# Altium PCB PCB5_制版20140402.PcbDoc (part 2 of 5)
Units mil, origin at the board's own origin, x right, y up, seen from the top; angles counter-clockwise.
Board outline 4763.78 x 6574.87 mil, 6 copper layers (Top Layer, GND, ADDR, DATA, VCC, Bottom Layer), stack 80.842 mil thick; 385 components, 444 nets, 1700 pads, 1572 vias.
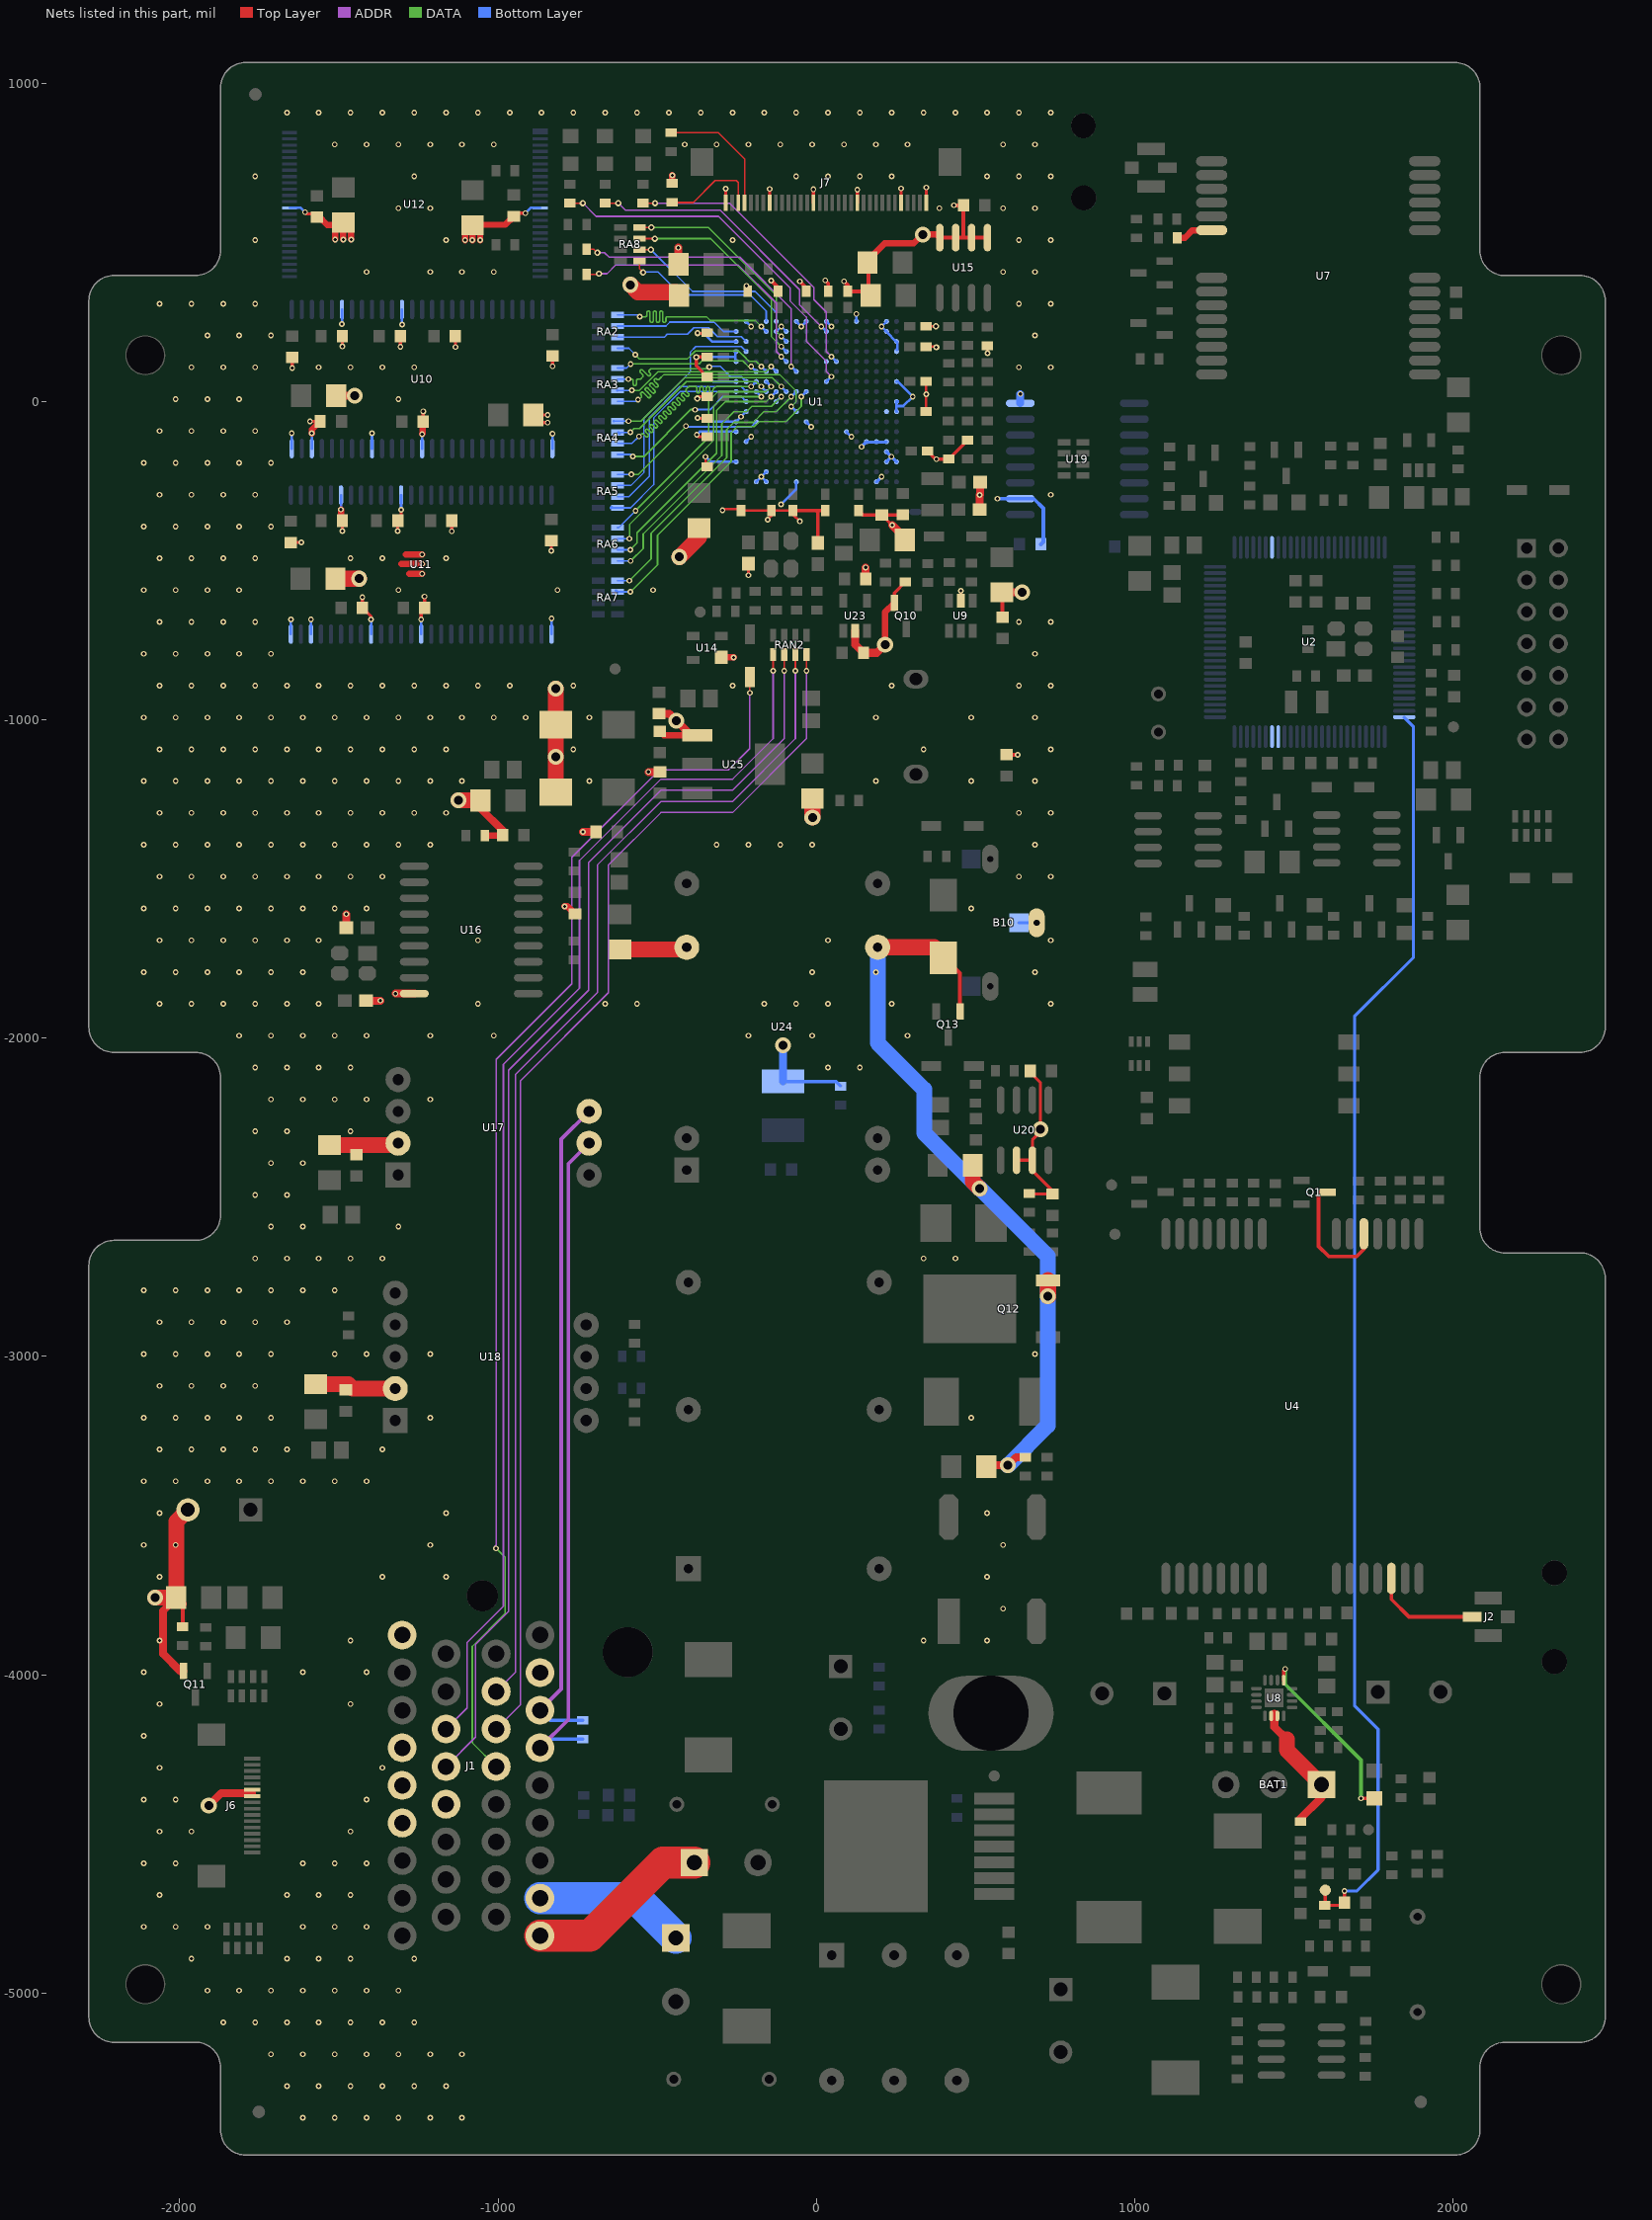
[diagram p6: the nets of this part, all layers, seen from the top]

## Footprints (in the part's own frame and the unit in brackets; to place one, negate y for a bottom-side part, rotate by r counter-clockwise, add the part's x,y. Pads: shape width x height; smd on the part's side, far side on the other; paste and mask are expansions set on the pad) (continued)
SOIC8_N [mm] "SOIC, 8-Leads, Body 4.9x3.9mm, Pitch 1.27mm, IPC Medium Density"
  oval 2.2x0.6 smd: 1(-2.4,1.905) 2(-2.4,0.635) 3(-2.4,-0.635) 4(-2.4,-1.905) 5(2.4,-1.905) 6(2.4,-0.635) 7(2.4,0.635) 8(2.4,1.905)
  silkscreen extent -2.52,-2.5 0.9,2.88, body extent -3,-2.45 3,2.45, height 1.7
SOIC16W_N [mm] "SOIC, 16-Leads, Body 10.3x7.5mm, Pitch 1.27mm, IPC Low Density"
  oval 2.3x0.6 smd: 1(-4.55,4.445) 2(-4.55,3.175) 3(-4.55,1.905) 4(-4.55,0.635) 5(-4.55,-0.635) 6(-4.55,-1.905) 7(-4.55,-3.175) 8(-4.55,-4.445) 9(4.55,-4.445) 10(4.55,-3.175) 11(4.55,-1.905) 12(4.55,-0.635) 13(4.55,0.635) 14(4.55,1.905) 15(4.55,3.175) 16(4.55,4.445)
  silkscreen extent -4.67,-5.25 3,5.42, body extent -3.75,-5.15 3.75,5.15, height 2.77
SOIC18W_N [mm] "SOIC, 18-Leads, Body 12x7.62mm, Pitch 1.27mm, IPC Medium Density"
  oval 2.3x0.6 smd: 1(-4.55,5.08) 2(-4.55,3.81) 3(-4.55,2.54) 4(-4.55,1.27) 5(-4.55,0) 6(-4.55,-1.27) 7(-4.55,-2.54) 8(-4.55,-3.81) 9(-4.55,-5.08) 10(4.55,-5.08) 11(4.55,-3.81) 12(4.55,-2.54) 13(4.55,-1.27) 14(4.55,0) 15(4.55,1.27) 16(4.55,2.54) 17(4.55,3.81) 18(4.55,5.08)
  silkscreen extent -4.67,-5.9 3,6.05, body extent -3.8,-5.95 3.8,5.95, height 2.65
SOT23_N [mm] "SOT23, 3-Leads, Body 2.9x1.3mm, Pitch 0.95mm, Lead Span 2.3mm, IPC Medium Density"
  rect 1.3x0.6 smd: 1(-1.05,0.95) 2(-1.05,-0.95) 3(1.05,0)
  silkscreen extent -1.17,-1.5 0.7,1.92, body extent -0.7,-1.5 0.7,1.5, height 1.1
SOT26A-6N [mm] "SOT23, 6-Leads, Body 2.9x1.7mm, Pitch 0.95mm, Lead Span 2.8mm, IPC Medium Density"
  rect 1.1x0.65 smd: 1(-1.2,0.95) 2(-1.2,0) 3(-1.2,-0.95) 4(1.2,-0.95) 5(1.2,0) 6(1.2,0.95)
  silkscreen extent -1.32,-1.55 0.25,1.95, body extent -0.9,-1.55 0.9,1.55, height 1.45
SOT143_N [mm]
  rect 1x1.05 smd: 1(-1.125,0.75)
  rect 1x0.65 smd: 2(-1.125,-0.95) 3(1.125,-0.95) 4(1.125,0.95)
  silkscreen extent -1.48,-1.5 0.4,1.95, body extent -0.7,-1.52 0.7,1.52, height 1.2
SOT363-6N [mm] "SOT363, 6-Leads, Body 2x1.3mm, Pitch 0.65mm, Lead Span 2.1mm, IPC Medium Density"
  rect 0.85x0.4 smd: 1(-0.95,0.65) 2(-0.95,0) 3(-0.95,-0.65) 4(0.95,-0.65) 5(0.95,0) 6(0.95,0.65)
  silkscreen extent -1.07,-1.1 0.15,1.52, body extent -0.7,-1.1 0.7,1.1, height 1
SPEAKER [mm]
  oval 1.5x2 hole 1: 1(-3.8,0) 2(3.8,0)
  silkscreen extent -6,-6 6,6, body extent -5.97,-5.97 6.03,6.03, height 9.3
SW-420 [mil]
  round 50 hole 25: 1(-150,0) 2(150,0)
  silkscreen extent -197,-79 197,79
TO-252AA_N [mm] "D-PAK, 4-Leads, Body 6.1x6.5mm, Pitch 2.28mm, Lead Span 9.9mm, IPC Medium Density"
  rect 1.9x0.95 smd: 1(-4.5,2.28) 3(-4.5,-2.28)
  rect 7.4x5.5 smd: 4(1.75,0)
  silkscreen extent -4.62,-3.35 -2.35,3.43, body extent -2.25,-3.37 4.1,3.37, height 2.38
TP [mil] "Test Point 30mil-35mil"
  round 35 smd: 1(0,0)
TQFP100_N [mm] "100-Pin Plastic Thin Quad Flat Pack (TQFP100), IPC Medium Density"
  oval 1.8x0.3 smd: 1(-7.55,6) 2(-7.55,5.5) 3(-7.55,5) 4(-7.55,4.5) 5(-7.55,4) 6(-7.55,3.5) 7(-7.55,3) 8(-7.55,2.5) 9(-7.55,2) 10(-7.55,1.5) 11(-7.55,1) 12(-7.55,0.5) 13(-7.55,0) 14(-7.55,-0.5) 15(-7.55,-1) 16(-7.55,-1.5) 17(-7.55,-2) 18(-7.55,-2.5) 19(-7.55,-3) 20(-7.55,-3.5) 21(-7.55,-4) 22(-7.55,-4.5) 23(-7.55,-5) 24(-7.55,-5.5) 25(-7.55,-6) 51(7.55,-6) 52(7.55,-5.5) 53(7.55,-5) 54(7.55,-4.5) 55(7.55,-4) 56(7.55,-3.5) 57(7.55,-3) 58(7.55,-2.5) 59(7.55,-2) 60(7.55,-1.5) 61(7.55,-1) 62(7.55,-0.5) 63(7.55,0) 64(7.55,0.5) 65(7.55,1) 66(7.55,1.5) 67(7.55,2) 68(7.55,2.5) 69(7.55,3) 70(7.55,3.5) 71(7.55,4) 72(7.55,4.5) 73(7.55,5) 74(7.55,5.5) 75(7.55,6)
  oval 0.3x1.8 smd: 26(-6,-7.55) 27(-5.5,-7.55) 28(-5,-7.55) 29(-4.5,-7.55) 30(-4,-7.55) 31(-3.5,-7.55) 32(-3,-7.55) 33(-2.5,-7.55) 34(-2,-7.55) 35(-1.5,-7.55) 36(-1,-7.55) 37(-0.5,-7.55) 38(0,-7.55) 39(0.5,-7.55) 40(1,-7.55) 41(1.5,-7.55) 42(2,-7.55) 43(2.5,-7.55) 44(3,-7.55) 45(3.5,-7.55) 46(4,-7.55) 47(4.5,-7.55) 48(5,-7.55) 49(5.5,-7.55) 50(6,-7.55) 76(6,7.55) 77(5.5,7.55) 78(5,7.55) 79(4.5,7.55) 80(4,7.55) 81(3.5,7.55) 82(3,7.55) 83(2.5,7.55) 84(2,7.55) 85(1.5,7.55) 86(1,7.55) 87(0.5,7.55) 88(0,7.55) 89(-0.5,7.55) 90(-1,7.55) 91(-1.5,7.55) 92(-2,7.55) 93(-2.5,7.55) 94(-3,7.55) 95(-3.5,7.55) 96(-4,7.55) 97(-4.5,7.55) 98(-5,7.55) 99(-5.5,7.55) 100(-6,7.55)
  silkscreen extent -7.67,-6.25 6.25,6.83, body extent -7,-7 7,7, height 1.2
TS7B_N [mm] "D2-PAK, 8-Leads, Body 8.6x10.2mm, Pitch 1.27mm, Lead Span 14.1mm, IPC Medium Density"
  rect 3.2x0.95 smd: 1(-6,3.81) 2(-6,2.54) 3(-6,1.27) 4(-6,0) 5(-6,-1.27) 6(-6,-2.54) 7(-6,-3.81)
  rect 8.3x10.5 smd: 8(3.45,0)
  silkscreen extent -6.13,-5.2 -1.1,5.2, body extent -3.35,-5.2 6.05,5.2, height 4.64
TSOP48 [mm]
  rect 1.2x0.45 smd: 1(-10,5.85)
  rect 1.2x0.25 smd: 2(-10,5.25) 3(-10,4.75) 4(-10,4.25) 5(-10,3.75) 6(-10,3.25) 7(-10,2.75) 8(-10,2.25) 9(-10,1.75) 10(-10,1.25) 11(-10,0.75) 12(-10,0.25) 13(-10,-0.25) 14(-10,-0.75) 15(-10,-1.25) 16(-10,-1.75) 17(-10,-2.25) 18(-10,-2.75) 19(-10,-3.25) 20(-10,-3.75) 21(-10,-4.25) 22(-10,-4.75) 23(-10,-5.25) 24(-10,-5.75) 25(10,-5.75) 26(10,-5.25) 27(10,-4.75) 28(10,-4.25) 29(10,-3.75) 30(10,-3.25) 31(10,-2.75) 32(10,-2.25) 33(10,-1.75) 34(10,-1.25) 35(10,-0.75) 36(10,-0.25) 37(10,0.25) 38(10,0.75) 39(10,1.25) 40(10,1.75) 41(10,2.25) 42(10,2.75) 43(10,3.25) 44(10,3.75) 45(10,4.25) 46(10,4.75) 47(10,5.25) 48(10,5.75)
  silkscreen extent -9.2,-6.25 9.2,6.25, body extent -10.08,-6.01 10.02,6.09, height 1.2
TSOP80P1180X120-54N [mm]
  oval 1.55x0.34 smd: 1(-5.55,10.4) 2(-5.55,9.6) 3(-5.55,8.8) 4(-5.55,8) 5(-5.55,7.2) 6(-5.55,6.4) 7(-5.55,5.6) 8(-5.55,4.8) 9(-5.55,4) 10(-5.55,3.2) 11(-5.55,2.4) 12(-5.55,1.6) 13(-5.55,0.8) 14(-5.55,0) 15(-5.55,-0.8) 16(-5.55,-1.6) 17(-5.55,-2.4) 18(-5.55,-3.2) 19(-5.55,-4) 20(-5.55,-4.8) 21(-5.55,-5.6) 22(-5.55,-6.4) 23(-5.55,-7.2) 24(-5.55,-8) 25(-5.55,-8.8) 26(-5.55,-9.6) 27(-5.55,-10.4) 28(5.55,-10.4) 29(5.55,-9.6) 30(5.55,-8.8) 31(5.55,-8) 32(5.55,-7.2) 33(5.55,-6.4) 34(5.55,-5.6) 35(5.55,-4.8) 36(5.55,-4) 37(5.55,-3.2) 38(5.55,-2.4) 39(5.55,-1.6) 40(5.55,-0.8) 41(5.55,0) 42(5.55,0.8) 43(5.55,1.6) 44(5.55,2.4) 45(5.55,3.2) 46(5.55,4) 47(5.55,4.8) 48(5.55,5.6) 49(5.55,6.4) 50(5.55,7.2) 51(5.55,8) 52(5.55,8.8) 53(5.55,9.6) 54(5.55,10.4)
  silkscreen extent -5.67,-11.1 4.37,11.24, body extent -5.86,-11.11 5.9,11.11, height 1.25

## Part data
B1 B2 B3 B4 B5 B6 B7 B8 B9: library part LED2, "Typical RED, GREEN, YELLOW, AMBER GaAs LED"
B10: "插针 电池座"
BAT1: library part Battery, "插针 Multicell Battery"
C1 C2 C3 C4 C5 C6 C7 C9 C10 C11 C12 C13 C14 C20 C21 C22 C23 C24 C25 C26 C27 C28: library part CAP, "多层陶瓷电容器MLCC - SMD/SMT 0402 0.1uF 50volts X7R 10%"
C8 C15 C18 C19 C36 C37 C71 C72: library part CAP, "多层陶瓷电容器MLCC - SMD/SMT 0603 15pF 50volts C0G 5%"
C16: library part CAP, "多层陶瓷电容器MLCC - SMD/SMT 0603 2200pF 50volts X7R 10%"
C17 C74 C75: library part CAP, "多层陶瓷电容器MLCC - SMD/SMT 0603 50volts 680pF X7R 10%"
C29 C30 C31 C32 C33 C34 C35 C38 C39 C40 C41 C42 C43 C44 C45 C46 C47 C48 C49 C50 C51 C52 C53 C54 C55 C56 C57 C58 C59 C60 C61 C62 C63 C64 C65 C66 C67 C68 C69 C70 C73 C76 C77 C78 C79 C80 C81 C82 C83 C84 C85 C86 C87 C88 C89 C90 C91 C92 C93: library part CAP, "多层陶瓷电容器MLCC - SMD/SMT 0603 0.1uF 50volts X7R 10%"
CM1 CM2 CM3: library part "Cap Pol2", "多层陶瓷电容器MLCC - SMD/SMT 4.7uF 50Volts 10%"
CM4: library part Cap, "多层陶瓷电容器MLCC - SMD/SMT 1000pF 3000volts 20%"
CP1 CP2 CP3 CP5 CP6 CP7 CP8 CP9 CP10 CP11 CP12 CP13 CP14 CP15 CP16 CP18 CP19 CP20 CP21 CP22 CP23: library part CAPACITOR, "钽质电容器-固体SMD 16volts 10uF 10%"
CP24 CP25: library part CAPACITOR, "Tantalum Capacitor"
CT1 CT2 CT3: library part CAPACITOR, "钽质电容器-固体SMD 16V 100uF 10%"
CV1: library part ELECTRO1, "插针 铝质电解电容器 - 带引线 1200uF 10V"
CV2 CV5: library part ELECTRO1, "插针 铝质电解电容器 - 带引线 220UF 35V ELECT FM RADIAL"
CV3 CV4: library part ELECTRO1, "插针 铝质电解电容器 - 带引线 270UF 50V ELECT FM RADIAL"
D2 D3 D4 D5 D6 D8 D9 D14: library part 1N4148W, "二极管 - 通用，功率，开关 100V Io/150mA"
D7 D10 D11 D12: library part "D Schottky", "肖特基二极管与整流器 3.0 Amp 60 Volt"
D13: library part 30BQ040, "TVS 二极管 - 瞬态电压抑制器 1500W 48V Unidirect"
F1: library part "Fuse 2", "插针 可复位保险丝 60V POLYFUSE .100A RADIAL LEADS"
F2: library part "Fuse 2", "Resettable Fuses - PPTC PTC POLYFUSE RADIAL 72V .900A"
J1: library part 6-174683-5, "插针 汽车连接器 SUPER SEAL 34POS CAP ASY V AU"
J2 J4: library part COAX-F, "插针 RF 连接器 ONBRD IPEX MHF RECEPTACLE"
J3: library part SIMCARD, "CON"
J6: library part 16PIN, "TE CONNECTIVITY / AMP - 1-1734592-6 - FFC/FPC CONNECTOR, RECEPTACLE 16POS 1ROW"
J7: library part "HEADER 33", "CON"
J8: library part CON2, "CON"
L1: library part Inductor, "固定电感器 SMD Power Inductor"
L2: library part Inductor, "固定电感器 SMT-INDUCTOR 12X12 68UH 2.35A"
LR2 LR3 LR4 LR8 LR9 LR10 LR11 LR12 LR14 LR15 LR16 LR17 LR18 LR20 LRN1: library part "Res Semi", "电磁干扰滤波珠子、扼流圈和阵列 Ferrite Chip Beads"
M1 M2 M3: library part D-001-0001, "Mounting Hole, M3 Screw, Plated, Square Pad"
P1: library part "Header 7X2", "TE CONNECTIVITY 2.54mm / AMP - 0-281272-1 - HEADER STRAIGHT 14WAY"
Q1 Q2 Q3 Q4 Q5 Q6 Q7 Q13 Q14: "NPN General Purpose Amplifier"
Q8 Q9: library part MMBT3096, "两极晶体管 - BJT 200mA 40V PNP"
Q10 Q11: library part 2N7002, "MOSFET 20V 2.9A 0.86W 57mohm @ 4.5V"
Q12: library part BSN254, "NMOS"
R1 R4 R15 R16 R17 R18 R21 R22 R24 R25 R26 R27 R28 R29 R30 R31 R36 R37 R41 R42 R43 R45 R46 R48 R51 R60 R61 R62 R63 R64 R69 R70 R71 R72 R73 R74 R75 R79 R84 R85 R86 R88 R89 R97 R101 R107 R110 R111 R122 R123 RN6 RN7 RN8 RN13: library part RES, "厚膜电阻器 - SMD 1/10watt 10Kohms 1%"
R5 R6 R7 R8 R9 R12 R19 R20 R39 R40 R52 R53 R55 R59 R80 R81 R90 R94 R104 R108 R114: library part RES, "厚膜电阻器 - SMD 1/10watt 1.0Kohms 1%"
R10 R23 R67 RN10 RN11: library part RES, "厚膜电阻器 - SMD 1/10watt ZEROohm Jumper"
R11 R56 R95 R99 R100: library part RES, "厚膜电阻器 - SMD 1/10watt 300Kohms 1%"
R13 R14 R50 R54 R113 R119 RN1: library part RES, "厚膜电阻器 - SMD 1/10watt 1.0Mohms 1%"
R32 R38 R47 R49 R103 R115 R116: library part RES, "厚膜电阻器 - SMD 1/10watt 100Kohms 1%"
R33 R34 R35 R44 R57 R58 R65 R66 R68 R78 R82 R83 R91 R93 R96 R112 RN9 RN12: library part RES, "厚膜电阻器 - SMD 1/10watt 22ohms 1%"
R76 R87 R92 R105: library part RES, "厚膜电阻器 - SMD 1/10watt 120ohms 1%"
R98 R106 R109 R117 R118 R121: library part RES, "厚膜电阻器 - SMD 1/10watt 15Kohms 1%"
R102: library part RES, "厚膜电阻器 - SMD 1/10watt 2ohms 1%"
R120: library part RES, "厚膜电阻器 - SMD 1/10watt 249Kohms 1%"
RA1 RA2 RA3 RA4 RA5 RA6 RA7 RA8 RAN1 RAN2: library part RP4R, "电阻器网络与阵列 8Term 22ohms 5% Convex"
RA9 RA10: library part RP4R, "电阻器网络与阵列 8Term 10Kohms 5% Convex"
RF1: library part FUSE1, "可复位保险丝 PTC 30V POLY SURF MOUNT 0805 .500A"
RF4: library part FUSE1, "可复位保险丝 PTC 30V POLY SURF MOUNT 0805.500A"
S1: library part "Header 2", "插针 工业级震动传感器"
S2: library part "Header 2", "插针 光敏传感器"
TP1 TP2 TP3 TP4 TP5 TP6 TP7 TP8: library part "Test Point", "Test Point"
U1 U20: "IC"
U2: library part MSP430F5438, "IC MCU 16BIT 256K FLASH 100-LQFP"
U3: library part "Volt Reg", "LDO Voltage Controllers"
U4: "GSM模块"
U5: "TVS二极管阵列 5 Line TVS Array"
U6 U23: "Micropower, 150mA Low-Dropout CMOS Voltage Regulator, 5-pin SOT-23, Pb-Free"
U7: "GPS模块"
U8: library part BQ24073, "电池管理 1.5A USB-Friendly Li Ion Batt Charger"
U9: "TVS二极管阵列 ESD Protection Low Cap"
U10 U11: library part K4S561632C, "IC"
U12: library part K9F2808, "IC"
U13: library part SPEAKER, "插针 BUZZER MAGNET 2048HZ 12MM PC MNT"
U14: library part MAX811-EUS-T, "监控电路 4-Pin uPower Voltage Monitor"
U15: library part AT24C02BN-SP25-T, "电可擦除可编程只读存储器 64K 2-WIRE 1.7V"
U16: "网络控制器与处理器 IC W/ SPI Inter 125dC"
U17: library part CTM1050, "插针 集成电路"
U18: "插针 集成电路"
U19: library part ADuM2401, "ADuM2401 1IN 3OUT"
U21: "+3V Voltage Monitoring, Low-Cost, 礟 Supervisory Circuit"
U22 U27: "Ultra Low-Power, Low-Cost Comparator with 2% Reference"
U24: "插针VRD240512MP-8W 2:1 1500V 82%"
U25: "800mA Low-Dropout Linear Regulator, 4-pin SOT-223, Pb-Free"
U26: "SIMPLE SWITCHER?High Efficiency 3A Step-Down Voltage Regulator, 7-pin TO-263, Pb-Free"
VR1 VR2: library part "Res Varistor", "插针 压敏电阻 500A 39volts 10%"
X1 X3: library part XTAL, "晶体 32.768KHz 20ppm 12.5pF -40C -85C"
X2 X4 X5: library part XTAL, "CRYSTAL 16MHZ 18PF SMD"
Z1 Z2: library part CXDB, "插针 Filter"

## Free pads (board coordinates)
  round 125.98 hole 118.11 unplated: 0(-2108.24,-4972.28) 0(-2108.24,145.83) 0(2340.58,-4972.28) 0(2340.58,145.83)
  round 157.48 hole 157.48 unplated: 0(-592.49,-3928.98)
  oval 39.37x19.68 smd far side: 1(310.92,-346.46)
  oval 393.7x236.22 hole 236.22 slot 393.7 at 0 deg unplated: 1(549,-4121)
  round 78.74 hole 78.74 unplated: 1(839,867) 1(840,640) 1(2319,-3959) 1(2319,-3680)

## Via types
v1: diameter 18, hole 10, Top Layer to Bottom Layer, 1138 vias
v2: diameter 18, hole 10, Top Layer to Bottom Layer, tented both sides, 290 vias
v3: diameter 20, hole 10, Top Layer to Bottom Layer, tented both sides, 89 vias
v4: diameter 50, hole 28, Top Layer to Bottom Layer, 43 vias
v5: diameter 20, hole 10, Top Layer to Bottom Layer, 7 vias
v6: diameter 23.62, hole 11.81, Top Layer to Bottom Layer, tented both sides, 5 vias

## Nets (pads, with @x,y where several pads share a name; then routed paths per layer and width w, separated by ;. In a path a pad name is that pad's centre, name@x,y a point inside that pad or via, vN(x,y) a via of type N, cw(c..) or ccw(c..) an arc to the next point about the centre after c; other vN are vias at no path point)
ACC24: C92.1 R114.2 TP8.1 U2.100 | length 4011.5
  Top Layer w10: TP8.1@1599,-4677 1599,-4722.47 R114.2@1597,-4724.47 C92.1@1651.06,-4724.47 ; C92.1@1659.54,-4716 v1(1659.54,-4679.46)
  Bottom Layer w10: v1(1659.54,-4679.46) 1698.54,-4679.46 1765,-4613 1765,-4171 1691,-4097 1691,-1931 1876,-1746 1876,-1021.67 U2.100@1847,-992.67
AFALE: RA8.5 U1.D1 | length 512
  Top Layer w5: RA8.5@-555.6,442.14 -555.6,417.4 v3(-544.27,406.06)
  Bottom Layer w5: v3(-544.27,406.06) -542.3,408.03 -498.01,408.03 -425.17,335.2 -208.23,335.2 -157.48,284.45 U1.D1@-157.48,251.97
AFCLE: R65.2 U1.F5 | length 851.6
  Top Layer w5: R65.2@-721.43,400.16 v3@-685.01,400.16
  ADDR w5: v3(-683.05,402.12) -657.45,402.12 -629.9,429.68 -245.63,429.68 -125.98,310.04 -125.98,157.48 v2(-110.24,141.73)
  Bottom Layer w8: v2(-110.24,141.73) U1.F5@-94.49,125.99
AFNFCE: RA8.7 U1.F4 | length 676.4
  Top Layer w5: RA8.7@-555.6,512.14 v3(-507.63,512.14)
  DATA w5: v3(-507.63,512.14) -332.44,512.14 -141.71,321.42 -141.71,204.7 v2(-110.24,173.23)
  Bottom Layer w8: v2(-110.24,173.23) U1.F4@-94.49,157.48
AFNFRE: RA8.6 U1.E1 | length 539
  Top Layer w5: RA8.6@-555.6,477.14 v3(-519.88,477.14)
  Bottom Layer w5: v3(-519.88,477.14) -388.75,346.02 -192.48,346.02 -125.98,279.53 U1.E1@-125.98,251.97
AFNFWE: RA8.8 U1.F3 | length 676.1
  Top Layer w5: RA8.8@-555.6,547.14 v3(-518.34,547.14)
  DATA w5: v3(-518.34,547.14) -338.89,547.14 -125.98,334.24 -125.98,220.47 v2(-110.24,204.73)
  Bottom Layer w8: v2(-110.24,204.73) U1.F3@-94.49,188.98
AFRNB: R66.2 U1.G6 | length 923.9
  Top Layer w5: R66.2@-721.43,478.4 -698.3,478.4 v3(-687.97,468.07)
  ADDR w5: v3(-687.97,468.07) -665.33,468.07 -651.06,453.8 -240.62,453.8 -78.74,291.91 v2(-78.74,110.24)
  Bottom Layer w8: v2(-78.74,110.24) U1.G6@-62.99,94.49
ALADDR2: RA3.2 U1.B7 | length 523.8
  DATA w5: v2(-590.27,70.58) -580.27,70.58 cw(c-580.27,65.58) -575.27,65.58 -575.27,55.58 ccw(c-570.27,55.58) -570.27,50.58 ccw(c-570.27,55.58) -565.27,55.58 -565.27,65.58 cw(c-560.27,65.58) -560.27,70.58 -552.8,70.58 -545.73,77.65 ccw(c-549.27,81.19) -545.73,84.72 -552.8,91.8 cw(c-549.27,95.33) -552.8,98.87 cw(c-549.27,95.33) -545.73,98.87 -535.13,88.26 -529.1,82.23 ccw(c-525.56,85.77) -522.03,82.23 ccw(c-525.56,85.77) -522.03,89.3 -524.52,91.8 cw(c-520.98,95.33) -524.52,98.87 -520.04,103.35 -346.98,103.35 -341.61,108.72 v3(-336.24,108.72)
  Bottom Layer w5: RA3.2@-625.13,70.58 v2(-590.27,70.58) ; v3@-334.24,110.72 -301.66,110.72 -269.69,78.74 -236.22,78.74 U1.B7@-220.47,62.99
ALADDR3: RA4.1 U1.F8 | length 616.8
  DATA w5: v2(-590.02,-61.48) -550.65,-61.48 -414.37,74.8 -137.8,74.8 v2(-110.24,47.24)
  Bottom Layer w5: RA4.1@-636.28,-61.48 RA4.1@-625.13,-61.48 v2(-590.02,-61.48)
  Bottom Layer w8: RA4.1@-636.28,-61.48 RA4.1@-635.83,-61.02 ; v2(-110.24,47.24) U1.F8@-94.49,31.5
ALADDR4: RA4.3 U1.C7 | length 911.9
  DATA w5: v2(-557.09,-109.25) -550.02,-102.18 cw(c-546.48,-105.72) -542.94,-102.18 -535.87,-109.25 ccw(c-532.34,-105.72) -528.8,-109.25 ccw(c-532.34,-105.72) -528.8,-102.18 -535.87,-95.11 cw(c-532.34,-91.57) -535.87,-88.04 cw(c-532.34,-91.57) -528.8,-88.04 -521.73,-95.11 ccw(c-518.2,-91.57) -514.66,-95.11 ccw(c-518.2,-91.57) -514.66,-88.04 -521.73,-80.97 cw(c-518.2,-77.43) -521.73,-73.9 cw(c-518.2,-77.43) -514.66,-73.9 -507.59,-80.97 ccw(c-504.05,-77.43) -500.52,-80.97 ccw(c-504.05,-77.43) -500.52,-73.9 -507.59,-66.83 cw(c-504.05,-63.29) -507.59,-59.75 cw(c-504.05,-63.29) -500.52,-59.75 -493.45,-66.83 ccw(c-489.91,-63.29) -486.38,-66.83 ccw(c-489.91,-63.29) -486.38,-59.75 -493.45,-52.68 cw(c-489.91,-49.15) -493.45,-45.61 cw(c-489.91,-49.15) -486.38,-45.61 -479.3,-52.68 ccw(c-475.77,-49.15) -472.23,-52.68 ccw(c-475.77,-49.15) -472.23,-45.61 -479.3,-38.54 cw(c-475.77,-35.01) -479.3,-31.47 cw(c-475.77,-35.01) -472.23,-31.47 -465.16,-38.54 ccw(c-461.63,-35.01) -458.09,-38.54 ccw(c-461.63,-35.01) -458.09,-31.47 -465.16,-24.4 cw(c-461.63,-20.86) -465.16,-17.33 cw(c-461.63,-20.86) -458.09,-17.33 -451.02,-24.4 ccw(c-447.49,-20.86) -443.95,-24.4 ccw(c-447.49,-20.86) -443.95,-17.33 -451.02,-10.26 cw(c-447.49,-6.72) -451.02,-3.19 cw(c-447.49,-6.72) -443.95,-3.19 -436.88,-10.26 ccw(c-433.34,-6.72) -429.81,-10.26 ccw(c-433.34,-6.72) -429.81,-3.19 -436.88,3.89 cw(c-433.34,7.42) -436.88,10.96 cw(c-433.34,7.42) -429.81,10.96 -422.74,3.89 ccw(c-419.2,7.42) -415.67,3.89 ccw(c-419.2,7.42) -415.67,10.96 -422.74,18.03 cw(c-419.2,21.56) -422.74,25.1 cw(c-419.2,21.56) -415.67,25.1 -408.59,18.03 ccw(c-405.06,21.56) -401.52,18.03 ccw(c-405.06,21.56) -401.52,25.1 -408.59,32.17 cw(c-405.06,35.7) -408.59,39.24 -400.59,47.24 -380.59,47.24 cw(c-380.59,42.24) -375.59,42.24 -375.59,32.24 ccw(c-370.59,32.24) -370.59,27.24 ccw(c-370.59,32.24) -365.59,32.24 -365.59,42.24 cw(c-360.59,42.24) -360.59,47.24 cw(c-360.59,42.24) -355.59,42.24 -355.59,36.7 ccw(c-350.59,36.7) -350.59,31.7 ccw(c-350.59,36.7) -345.59,36.7 -345.59,42.24 cw(c-340.59,42.24) -340.59,47.24 cw(c-340.59,42.24) -335.59,42.24 -335.59,32.24 ccw(c-330.59,32.24) -330.59,27.24 ccw(c-330.59,32.24) -325.59,32.24 cw(c-310.59,32.24) -310.59,47.24 v2(-204.72,47.24)
  Bottom Layer w5: RA4.3@-625.13,-131.48 -579.31,-131.48 v2(-557.09,-109.25)
  Bottom Layer w8: v2(-204.72,47.24) U1.C7@-188.98,62.99
ALADDR5: RA4.2 U1.D8 | length 552.1
  DATA w5: v2(-584.67,-96.48) -572.83,-84.65 -555.12,-84.65 -407.73,62.74 -188.73,62.74 v2(-173.23,47.24)
  Bottom Layer w5: RA4.2@-625.13,-96.48 -622.03,-96.48 v2(-584.67,-96.48)
  Bottom Layer w8: RA4.2@-622.03,-96.48 RA4.2@-618.11,-100.39 ; v2(-173.23,47.24) U1.D8@-157.48,31.5
ALADDR6: RA6.3 U1.E8 | length 802.5
  DATA w5: v2(-584.6,-465.6) -563,-444 -563,-412 -313.24,-162.24 -313.24,-27.81 -285.39,0.04 -157.44,0.04 v2(-141.73,15.75)
  Bottom Layer w5: RA6.3@-625.13,-465.6 v2(-584.6,-465.6)
  Bottom Layer w8: v2(-141.73,15.75) U1.E8@-125.98,31.5
ALADDR7: RA6.1 U1.D7 | length 756.9
  DATA w5: v2(-568,-343) -568,-342 -338.12,-112.12 -338.12,-46.16 -338.24,-46.04 -338.24,2.31 -309.3,31.25 -157.73,31.25 v2(-141.73,47.24)
  Bottom Layer w5: RA6.1@-625.13,-395.6 -620.6,-395.6 v2(-568,-343)
  Bottom Layer w8: U1.D7@-157.48,62.99 v2(-141.73,47.24)
ALADDR8: RA7.1 U1.G8 | length 907.7
  DATA w5: v2(-587.26,-562.66) -519,-494.39 -519,-414 -281.5,-176.5 -281.5,-87.6 -258.9,-65 -197.87,-65 -164.12,-31.25 -125.24,-31.25 -78.74,15.25 v2(-78.74,15.75)
  Bottom Layer w5: RA7.1@-625.13,-562.66 v2(-587.26,-562.66)
  Bottom Layer w8: v2(-78.74,15.75) U1.G8@-62.99,31.5
ALADDR9: RA5.3 U1.B8 | length 662.8
  Bottom Layer w5: RA5.3@-625.13,-298.54 -588.89,-298.54 -525,-234.65 -525,-49.61 -428.15,47.24 -236.22,47.24 U1.B8@-220.47,31.5